# Altium PCB Matrix.PcbDoc (part 3 of 4)
Units mm, origin at the board's own origin, x right, y up, seen from the top; angles counter-clockwise.
Board outline 198.9 x 200.83 mm, 2 copper layers (Top Layer, Bottom Layer), stack 1.55 mm thick; 406 components, 231 nets, 2159 pads, 789 vias.
Unrouted connection lines stored in the file: 16.
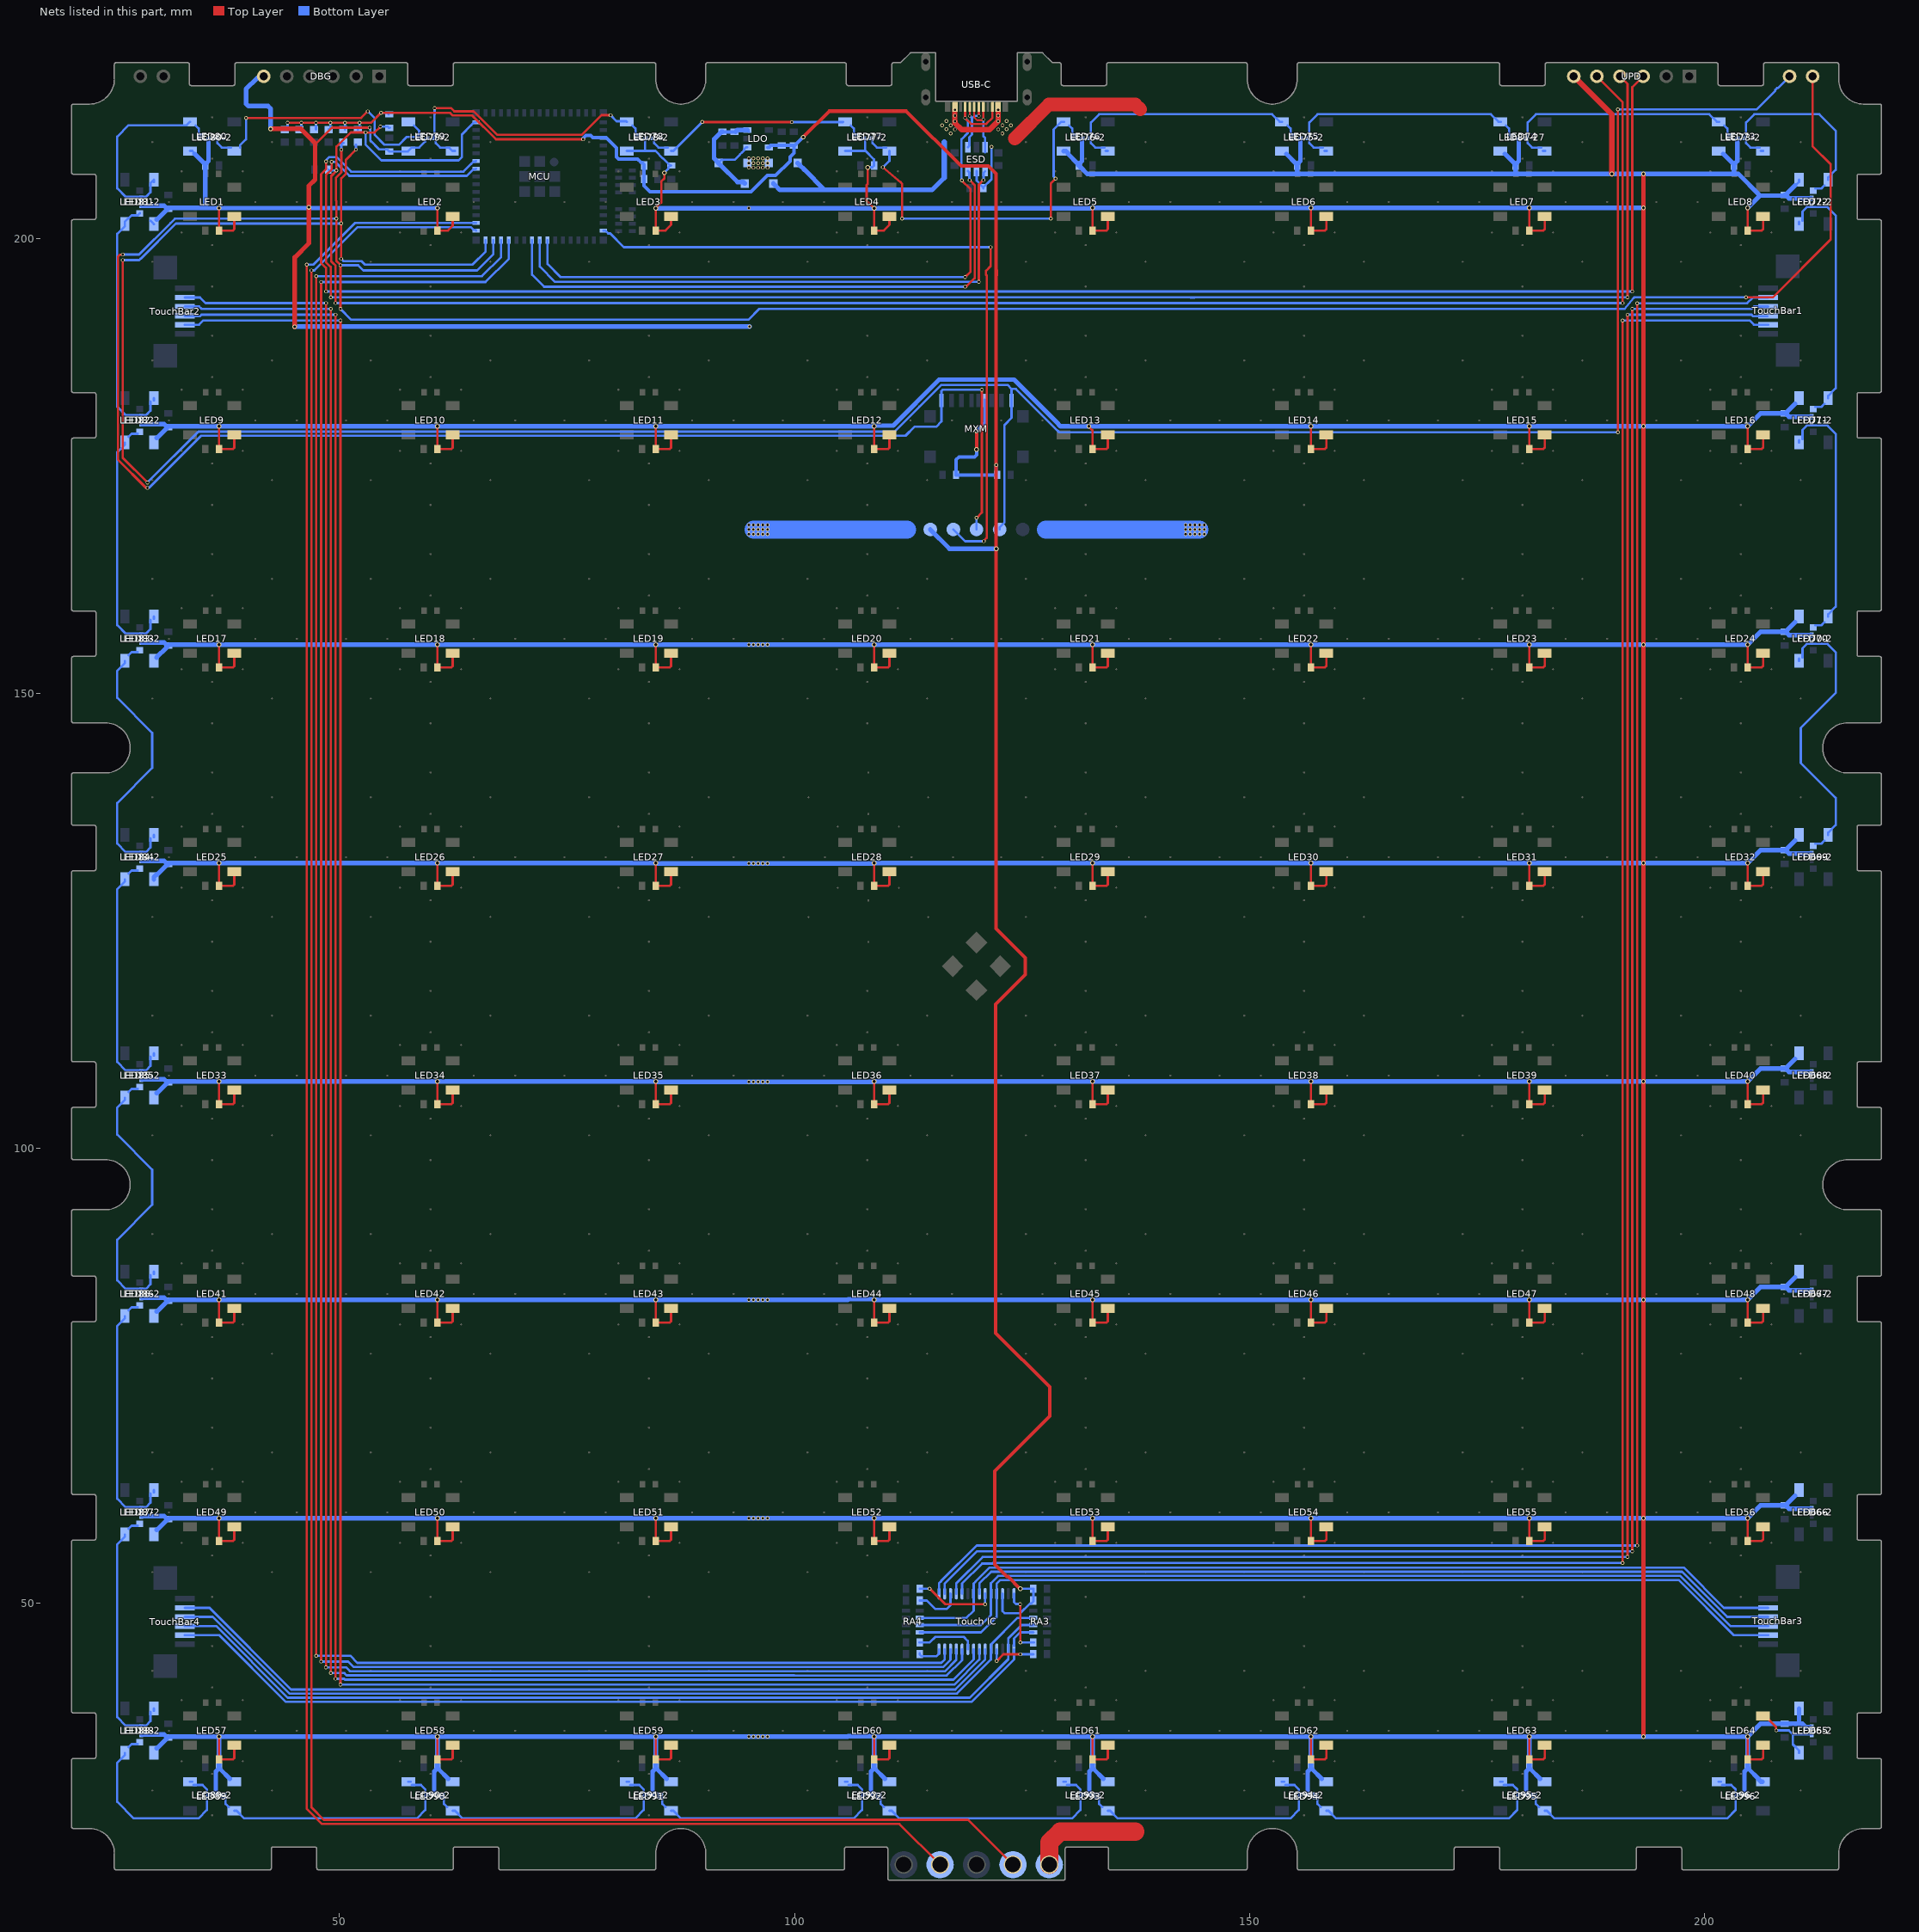
[diagram p3: the nets of this part, all layers, seen from the top]

## Via types
v1: diameter 0.406, hole 0.254, Top Layer to Bottom Layer, tented both sides, 443 vias
v2: diameter 0.508, hole 0.318, Top Layer to Bottom Layer, tented both sides, 331 vias
v3: diameter 0.349, hole 0.254, Top Layer to Bottom Layer, tented both sides, 6 vias
v4: diameter 8, hole 5.3, Top Layer to Bottom Layer, 4 vias
v5: diameter 0.635, hole 0.397, Top Layer to Bottom Layer, tented both sides, 3 vias
v6: diameter 0.508, hole 0.406, Top Layer to Bottom Layer, tented both sides, 1 vias
v7: diameter 0.61, hole 0.406, Top Layer to Bottom Layer, tented both sides, 1 vias

## Nets (pads, with @x,y where several pads share a name; then routed paths per layer and width w, separated by ;. In a path a pad name is that pad's centre, name@x,y a point inside that pad or via, vN(x,y) a via of type N, cw(c..) or ccw(c..) an arc to the next point about the centre after c; other vN are vias at no path point) (continued)
NetLED69_2: LED69-2.2 LED69.2 LED70-2.4 LED70.4 | length 30.1
  Bottom Layer w0.254: LED70.4@210.4,153.562 LED70.4@210.4,153.812 ; LED70.4@210.773,153.935 210.773,154.948 211.252,155.427 LED70-2.4@211.702,155.427 ; LED70-2.4@211.898,155.427 213.515,155.427 214.432,154.51 214.432,150.049 210.585,146.202 210.585,142.344 214.432,138.497 214.432,135.52 213.6,134.689 LED69.2@213.6,134.438 ; LED69-2.2@212.173,133.473 212.855,133.473 LED69.2@213.197,133.815
NetLED70_2: LED70-2.2 LED70.2 LED71-2.4 LED71.4 | length 26.9
  Bottom Layer w0.254: LED71.4@210.4,177.562 LED71.4@210.4,177.812 ; LED71.4@210.773,177.935 210.773,178.948 211.252,179.427 LED71-2.4@211.702,179.427 ; LED71-2.4@211.898,179.427 213.515,179.427 214.432,178.51 214.432,159.52 213.6,158.689 LED70.2@213.6,158.438 ; LED70-2.2@212.173,157.473 212.855,157.473 LED70.2@213.197,157.815
NetLED71_2: LED71-2.2 LED71.2 LED72-2.4 LED72.4 | length 26.9
  Bottom Layer w0.254: LED72.4@210.4,201.562 LED72.4@210.4,201.812 ; LED72.4@210.773,201.935 210.773,202.948 211.252,203.427 LED72-2.4@211.702,203.427 ; LED72-2.4@211.898,203.427 213.515,203.427 214.432,202.51 214.432,183.52 213.6,182.689 LED71.2@213.6,182.438 ; LED71-2.2@212.173,181.473 212.855,181.473 LED71.2@213.197,181.815
NetLED72_2: LED72-2.2 LED72.2 LED73-2.4 LED73.4 | length 21.9
  Bottom Layer w0.254: LED73-2.4@204.573,210.902 204.573,210.452 205.052,209.973 LED73.4@206.065,209.973 ; LED73-2.4@204.573,211.098 204.573,212.715 205.49,213.632 212.615,213.632 214.432,211.815 214.432,207.52 213.6,206.689 LED72.2@213.6,206.438 ; LED73.4@206.188,209.6 LED73.4@206.438,209.6 ; LED72-2.2@212.173,205.473 212.855,205.473 LED72.2@213.197,205.815
NetLED73_2: LED73-2.2 LED73.2 LED74.4 LED81-27.4 | length 26.9
  Bottom Layer w0.254: LED81-27.4@180.573,210.902 180.573,210.452 181.052,209.973 LED74.4@182.065,209.973 ; LED81-27.4@180.573,211.098 180.573,212.715 181.49,213.632 ; 181.538,213.632 200.528,213.632 201.359,212.8 LED73.2@201.61,212.8 ; LED74.4@182.236,209.6 LED74.4@182.486,209.6 ; LED73.2@202.185,212.397 202.527,212.055 LED73-2.2@202.527,211.373
NetLED74_2: LED74.2 LED75-2.4 LED75.4 LED81-27.2 | length 26.9
  Bottom Layer w0.254: LED75-2.4@156.573,210.902 156.573,210.452 157.052,209.973 LED75.4@158.065,209.973 ; LED75-2.4@156.573,211.098 156.573,212.715 157.49,213.632 ; 157.538,213.632 176.527,213.632 177.359,212.8 LED74.2@177.609,212.8 ; LED75.4@158.236,209.6 LED75.4@158.486,209.6 ; LED74.2@178.185,212.397 178.527,212.055 LED81-27.2@178.527,211.373
NetLED75_2: LED75-2.2 LED75.2 LED76-2.4 LED76.4 | length 26.9
  Bottom Layer w0.254: LED76-2.4@132.573,210.902 132.573,210.452 133.052,209.973 LED76.4@134.065,209.973 ; LED76-2.4@132.573,211.098 132.573,212.715 133.49,213.632 152.48,213.632 153.311,212.8 LED75.2@153.562,212.8 ; LED76.4@134.188,209.6 LED76.4@134.438,209.6 ; LED75.2@154.185,212.397 154.527,212.055 LED75-2.2@154.527,211.373
NetLED76_2: LED76-2.2 LED76.2 LED77-2.4 LED77.4 | length 40
  Top Layer w0.254: v1(109.699,207.809) 111.672,206.149 111.821,206 v1(111.821,202.155) ; v1(128.179,202.155) 128.179,205.946 128.179,206.017 128.233,206.105 v1(128.678,206.55)
  Bottom Layer w0.254: LED77-2.4@108.573,210.902 108.573,210.452 109.052,209.973 LED77.4@110.065,209.973 ; v1(109.699,207.809) 109.741,207.809 110.438,208.507 LED77.4@110.438,209.6 ; v1(111.821,202.155) v1(128.179,202.155) ; v1(128.678,206.55) 128.678,206.591 128.484,206.785 128.484,211.973 129.311,212.8 LED76.2@129.562,212.8 LED76.2@129.61,212.8 ; LED76.2@130.185,212.397 130.527,212.055 LED76-2.2@130.527,211.373
NetLED77_2: LED77-2.2 LED77.2 LED78-2.4 LED78.4 | length 23.6
  Top Layer w0.254: v1(89.854,212.781) 89.86,212.775 99.692,212.775 v1(99.698,212.77)
  Bottom Layer w0.254: LED78-2.4@84.573,210.902 84.573,210.452 85.052,209.973 LED78.4@86.065,209.973 ; LED78.4@86.438,209.6 86.689,209.6 89.854,212.765 v1(89.854,212.781) ; v1(99.698,212.77) 105.329,212.77 LED77.2@105.359,212.8 ; LED77.2@106.185,212.397 106.527,212.055 LED77-2.2@106.527,211.373
NetLED78_2: LED78-2.2 LED78.2 LED79-2.4 LED79.4 | length 31
  Top Layer w0.254: v1(60.444,214.316) 62.246,214.316 62.605,213.958 64.744,213.958 67.312,211.39 76.634,211.39 78.779,213.535 v1(79.803,213.535)
  Bottom Layer w0.254: LED79-2.4@60.4,211 60.414,211.014 60.414,213.605 60.444,213.635 v1(60.444,214.316) ; LED79-2.4@60.573,210.902 60.573,210.452 61.052,209.973 LED79.4@62.025,209.973 ; LED79.4@62.065,209.973 LED79.4@62.025,209.973 ; LED79.4@62.689,209.6 62.399,209.6 LED79.4@62.025,209.973 ; v1(79.803,213.535) 79.803,213.502 80.441,212.864 81.498,212.864 LED78.2@81.562,212.8 ; LED78.2@82.185,212.397 82.527,212.055 LED78-2.2@82.527,211.373
NetLED79_2: LED79-2.2 LED79.2 LED80-2.4 LED80.4 | length 29.4
  Top Layer w0.254: v1(39.721,213.21) 39.737,213.225 52.366,213.225 v1(53.089,213.949)
  Bottom Layer w0.254: LED80-2.4@36.573,210.902 36.573,210.452 37.052,209.973 LED80.4@38.065,209.973 ; LED80.4@39.062,209.973 39.062,210.223 39.721,210.883 v1(39.721,213.21) ; v1(53.089,213.949) 53.121,213.949 53.843,213.226 53.843,211.384 54.941,210.287 56.535,210.287 57.398,211.15 LED79-2.2@58.75,211.15 58.75,211.832 LED79.2@58.185,212.397
NetLED80_2: LED80-2.2 LED80.2 LED81-2.4 LED81.4 | length 21.7
  Bottom Layer w0.254: LED81-2.4@28.2,204.4 LED81-2.4@28.2,204.475 ; LED81.4@29.6,206.188 LED81.4@29.6,206.438 29.227,206.065 29.227,205.052 28.748,204.573 28.298,204.573 LED81-2.4@28.2,204.475 ; LED80.2@33.562,212.8 33.188,212.427 26.827,212.427 25.568,211.168 25.568,205.49 26.485,204.573 28.102,204.573 LED81-2.4@28.2,204.475 ; LED80.2@34.185,212.397 34.527,212.055 LED80-2.2@34.527,211.373
NetLED81_2: LED81-2.2 LED81.2 LED82-2.4 LED82.4 | length 28
  Bottom Layer w0.254: LED81-2.2@28.05,202.75 27.827,202.527 27.145,202.527 26.803,202.185 26.773,202.185 26.4,201.812 LED81.2@26.4,201.562 26.4,201.311 25.568,200.48 25.568,181.49 26.485,180.573 LED82-2.4@28.102,180.573 ; LED82-2.4@28.298,180.573 28.748,180.573 29.227,181.052 LED82.4@29.227,182.065 ; LED82.4@29.6,182.188 LED82.4@29.6,182.438
NetLED82_2: LED82-2.2 LED82.2 LED83-2.4 LED83.4 | length 26.9
  Bottom Layer w0.254: LED82.2@26.4,177.562 26.4,177.311 25.568,176.48 25.568,157.49 26.485,156.573 LED83-2.4@28.102,156.573 ; LED82.2@26.803,178.185 27.145,178.527 LED82-2.2@27.827,178.527 ; LED83-2.4@28.298,156.573 28.748,156.573 29.227,157.052 LED83.4@29.227,158.065 ; LED83.4@29.6,158.188 LED83.4@29.6,158.438
NetLED83_2: LED83-2.2 LED83.2 LED84-2.4 LED84.4 | length 30.1
  Bottom Layer w0.254: LED83.2@26.4,153.562 26.4,153.311 25.568,152.48 25.568,149.503 29.415,145.656 29.415,141.798 25.568,137.951 25.568,133.49 26.485,132.573 LED84-2.4@28.102,132.573 ; LED83.2@26.803,154.185 27.145,154.527 LED83-2.2@27.827,154.527 ; LED84-2.4@28.298,132.573 28.748,132.573 29.227,133.052 LED84.4@29.227,134.065 ; LED84.4@29.6,134.188 LED84.4@29.6,134.438
NetLED84_2: LED84-2.2 LED84.2 LED85-2.4 LED85.4 | length 26.9
  Bottom Layer w0.254: LED84.2@26.4,129.562 26.4,129.311 25.568,128.48 25.568,109.49 26.485,108.573 LED85-2.4@28.102,108.573 ; LED84.2@26.803,130.185 27.145,130.527 LED84-2.2@27.827,130.527 ; LED85-2.4@28.298,108.573 28.748,108.573 29.227,109.052 LED85.4@29.227,110.065 ; LED85.4@29.6,110.188 LED85.4@29.6,110.438
NetLED85_2: LED85-2.2 LED85.2 LED86-2.4 LED86.4 | length 30.1
  Bottom Layer w0.254: LED85.2@26.4,105.562 26.4,105.311 25.568,104.48 25.568,101.503 29.415,97.656 29.415,93.798 25.568,89.951 25.568,85.49 26.485,84.573 LED86-2.4@28.102,84.573 ; LED85.2@26.803,106.185 27.145,106.527 LED85-2.2@27.827,106.527 ; LED86-2.4@28.298,84.573 28.748,84.573 29.227,85.052 LED86.4@29.227,86.065 ; LED86.4@29.6,86.188 LED86.4@29.6,86.438
NetLED86_2: LED86-2.2 LED86.2 LED87-2.4 LED87.4 | length 26.9
  Bottom Layer w0.254: LED86.2@26.4,81.562 26.4,81.311 25.568,80.48 25.568,61.49 26.485,60.573 LED87-2.4@28.102,60.573 ; LED86.2@26.803,82.185 27.145,82.527 LED86-2.2@27.827,82.527 ; LED87-2.4@28.298,60.573 28.748,60.573 29.227,61.052 LED87.4@29.227,62.065 ; LED87.4@29.6,62.188 LED87.4@29.6,62.438
NetLED87_2: LED87-2.2 LED87.2 LED88-2.4 LED88.4 | length 26.9
  Bottom Layer w0.254: LED87.2@26.4,57.562 26.4,57.311 25.568,56.48 25.568,37.49 26.485,36.573 LED88-2.4@28.102,36.573 ; LED87.2@26.803,58.185 27.145,58.527 LED87-2.2@27.827,58.527 ; LED88-2.4@28.298,36.573 28.748,36.573 29.227,37.052 LED88.4@29.227,38.065 ; LED88.4@29.6,38.188 LED88.4@29.6,38.438
NetLED88_2: LED88-2.2 LED88.2 LED89-2.4 LED89.4 | length 21.9
  Bottom Layer w0.254: LED88.2@26.4,33.562 26.4,33.311 25.568,32.48 25.568,28.185 27.385,26.368 34.51,26.368 35.427,27.285 LED89-2.4@35.427,28.902 ; LED88.2@26.803,34.185 27.145,34.527 LED88-2.2@27.827,34.527 ; LED89.4@33.562,30.4 LED89.4@33.812,30.4 ; LED89.4@33.935,30.027 34.948,30.027 35.427,29.548 LED89-2.4@35.427,29.098
NetLED89_2: LED89-2.2 LED89.2 LED90-2.4 LED90.4 | length 26.9
  Bottom Layer w0.254: LED89-2.2@37.473,28.627 37.473,27.945 LED89.2@37.815,27.603 ; LED89.2@38.438,27.2 38.689,27.2 39.52,26.368 58.51,26.368 59.427,27.285 LED90-2.4@59.427,28.902 ; LED90.4@57.562,30.4 LED90.4@57.812,30.4 ; LED90.4@57.935,30.027 58.948,30.027 59.427,29.548 LED90-2.4@59.427,29.098
NetLED90_2: LED90-2.2 LED90.2 LED91-2.4 LED91.4 | length 26.9
  Bottom Layer w0.254: LED90-2.2@61.473,28.627 61.473,27.945 LED90.2@61.815,27.603 ; LED90.2@62.438,27.2 62.689,27.2 63.52,26.368 82.51,26.368 83.427,27.285 LED91-2.4@83.427,28.902 ; LED91.4@81.562,30.4 LED91.4@81.812,30.4 ; LED91.4@81.935,30.027 82.948,30.027 83.427,29.548 LED91-2.4@83.427,29.098
NetLED91_2: LED91-2.2 LED91.2 LED92-2.4 LED92.4 | length 26.9
  Bottom Layer w0.254: LED91-2.2@85.473,28.627 85.473,27.945 LED91.2@85.815,27.603 ; LED91.2@86.438,27.2 86.689,27.2 87.52,26.368 106.51,26.368 107.427,27.285 LED92-2.4@107.427,28.902 ; LED92.4@105.562,30.4 LED92.4@105.812,30.4 ; LED92.4@105.935,30.027 106.948,30.027 107.427,29.548 LED92-2.4@107.427,29.098
NetLED92_2: LED92-2.2 LED92.2 LED93-2.4 LED93.4 | length 26.9
  Bottom Layer w0.254: LED92-2.2@109.473,28.627 109.473,27.945 LED92.2@109.815,27.603 ; LED92.2@110.438,27.2 110.689,27.2 111.52,26.368 130.51,26.368 131.427,27.285 LED93-2.4@131.427,28.902 ; LED93.4@129.562,30.4 LED93.4@129.812,30.4 ; LED93.4@129.935,30.027 130.948,30.027 131.427,29.548 LED93-2.4@131.427,29.098
NetLED93_2: LED93-2.2 LED93.2 LED94-2.4 LED94.4 | length 26.9
  Bottom Layer w0.254: LED93-2.2@133.473,28.627 133.473,27.945 LED93.2@133.815,27.603 ; LED93.2@134.438,27.2 134.689,27.2 135.52,26.368 154.51,26.368 155.427,27.285 LED94-2.4@155.427,28.902 ; LED94.4@153.562,30.4 LED94.4@153.812,30.4 ; LED94.4@153.935,30.027 154.948,30.027 155.427,29.548 LED94-2.4@155.427,29.098
NetLED94_2: LED94-2.2 LED94.2 LED95-2.4 LED95.4 | length 26.9
  Bottom Layer w0.254: LED94-2.2@157.473,28.627 157.473,27.945 LED94.2@157.815,27.603 ; LED94.2@158.438,27.2 158.689,27.2 159.52,26.368 178.51,26.368 179.427,27.285 LED95-2.4@179.427,28.902 ; LED95.4@177.562,30.4 LED95.4@177.812,30.4 ; LED95.4@177.935,30.027 178.948,30.027 179.427,29.548 LED95-2.4@179.427,29.098
NetLED95_2: LED95-2.2 LED95.2 LED96-2.4 LED96.4 | length 26.9
  Bottom Layer w0.254: LED95-2.2@181.473,28.627 181.473,27.945 LED95.2@181.815,27.603 ; LED95.2@182.438,27.2 182.689,27.2 183.52,26.368 202.51,26.368 203.427,27.285 LED96-2.4@203.427,28.902 ; LED96.4@201.562,30.4 LED96.4@201.812,30.4 ; LED96.4@201.935,30.027 202.948,30.027 203.427,29.548 LED96-2.4@203.427,29.098
PMIC_INT: MCU.15 pad.5 | length 79.9
  Top Layer w0.254: v1(120.812,166.717) 120.812,166.758 121.122,167.068 121.122,195.923 121.046,195.999 121.046,196.438 121.557,196.949 v1(121.557,199.015)
  Bottom Layer w0.254: MCU.15@79,200.85 79.2,200.85 79.523,200.527 79.743,200.527 81.252,199.019 121.553,199.019 v1(121.557,199.015) ; pad.5@117.46,168 118.743,166.717 v1(120.812,166.717)
PowerCord: MCU.22 USB-C.A8 USB-C.B8 | length 73.1
  Top Layer w0.254: v1(118.381,206.363) 119.342,205.402 119.342,196.332 v1(118.75,195.74) ; USB-C.A8@118.75,214.15 118.748,214.148 v3(118.748,213.218) 119.404,212.562 121.071,212.562 121.755,213.246 121.755,213.666 121.75,213.671 USB-C.B8@121.75,214.15
  Bottom Layer w0.254: MCU.22@72.85,199.8 72.85,197.189 74.299,195.74 v1(118.75,195.74) ; v1(118.381,206.363) 118.357,206.387 118.357,210.896 119.053,211.592 119.053,212.912 v3(118.748,213.218)
rawUSB+: ESD.1@119.05,210 USB-C.A6 USB-C.B6 | length 6.1
  Top Layer w0.203: v3(119.25,213.466) 119.25,214.15 USB-C.B6@119.25,214.309
  Top Layer w0.254: v3(120.25,213.466) USB-C.A6@120.25,214.15
  Bottom Layer w0.254: ESD.1@119.05,210 119.223,210.173 119.223,211.119 119.507,211.404 119.507,213.209 v3(119.25,213.466) ; 119.508,213.209 119.765,213.466 v3(120.25,213.466)
rawUSB-: ESD.3 USB-C.A7 USB-C.B7 | length 6.9
  Top Layer w0.203: USB-C.A7@119.75,214.15 119.742,214.142 119.742,213.301 120.053,212.99 120.639,212.99 120.712,213.063 v3(120.752,213.063) ; v3@120.751,212.996 USB-C.B7@120.751,214.149
  Bottom Layer w0.254: v3(120.752,213.063) 120.752,211.225 120.95,211.026 ESD.3@120.95,209.453
Reset: C10.1 MCU.45 R5.2 UPD.5 | length 210.2
  Top Layer w0.254: v1(49.564,192.879) 49.564,196.971 49.189,197.347 49.083,197.453 49.083,206.842 v1@49.665,207.424 ; v1(49.665,207.465) 49.665,210.07 51.225,211.63 v1(52.859,211.63) ; v1@52.859,211.7 52.859,211.698 52.929,211.628 53.842,211.628 v1(54.485,212.27) ; UPD.5@188.18,217.8 191,214.98 v1@191,192.88
  Bottom Layer w0.2: R5.2@55.441,212.141 R5.2@55.579,212.141
  Bottom Layer w0.254: C10.1@48.75,207.55 48.835,207.465 v1(49.665,207.465) ; v1@49.71,192.88 v1(191.01,192.88) ; v1(52.859,211.63) 52.859,210.303 54.588,208.574 63.088,208.574 63.461,208.947 63.461,211.423 64.465,212.427 64.477,212.427 64.8,212.75 MCU.45@65,212.75 ; v1(54.485,212.27) 55.312,212.27 R5.2@55.441,212.141
RX0: MCU.40 UPD.3 | length 200.4
  Top Layer w0.254: v1(48.504,194.15) 48.504,196.747 47.974,197.278 47.974,207.058 48.53,207.614 v1(48.53,208.443) ; v1(192.07,194.149) 192.07,194.564 192.068,194.566 192.068,216.608 UPD.3@193.26,217.8
  Bottom Layer w0.254: v1(48.504,194.15) 50.55,194.15 ; v1(48.53,208.443) 48.559,208.472 48.559,208.62 48.871,208.932 49.656,208.932 51.268,207.32 63.608,207.32 64.465,208.177 64.477,208.177 64.727,208.427 64.927,208.427 MCU.40@65,208.5 ; 50.551,194.149 v1(192.07,194.149)
RX1: MCU.31 P2.2 pad.@124,21.277 | length 268.8
  Top Layer w0.254: v1(46.913,196.474) 46.913,27.554 48.267,26.2 111.719,26.2 119.077,26.2 P2.2@124,21.277
  Bottom Layer w0.254: v1(46.913,196.474) 46.917,196.478 47.228,196.478 51.959,201.209 64.441,201.209 64.727,200.923 64.927,200.923 MCU.31@65,200.85
SCL: I2C.2 MCU.30 MXM.1 pad.3 R6.2 | length 322.5
  Top Layer w0.254: v1(26.17,197.61) 26.17,175.892 v1(28.894,173.168) ; v1(50.173,197.754) v1(50.173,201.642) 50.173,206.581 50.703,207.111 50.703,208.636 51.796,209.729 v1(51.796,209.746) ; v1(190.47,178.686) v1(190.47,214.162)
  Bottom Layer w0.254: v1(26.17,197.61) 27.983,197.61 28.136,197.762 28.156,197.762 32.019,201.625 50.156,201.625 v1(50.173,201.642) ; v1(28.894,173.168) 34.487,178.762 110.999,178.762 113.725,181.488 116.128,183.89 123.41,183.89 123.85,183.45 ; v1(50.173,197.754) 50.425,197.502 52.389,197.502 52.783,197.108 64.589,197.108 66.05,198.57 MCU.30@66.05,199.8 ; v1(51.796,209.746) R6.2@51.796,210.287 ; pad.3@122.54,168 122.54,168.239 123.073,168.772 123.073,179.49 123.85,180.267 123.85,183.45 ; v1(190.47,178.686) 129.077,178.686 128.577,179.186 124.312,183.45 123.85,183.45 ; v1(190.47,214.162) 205.717,214.162 207.785,216.23 207.785,216.33 207.977,216.522 208.077,216.522 I2C.2@209.355,217.8
SDA: I2C.1 MCU.29 MXM.8 pad.4 R7.2 | length 391.5
  Top Layer w0.254: v1(26.17,198.216) 26.141,198.187 25.84,198.187 25.64,197.986 25.64,175.672 28.721,172.591 28.865,172.591 v1(28.894,172.562) ; v1(50.095,192.245) v1(50.095,197.046) 50.095,197.083 49.643,197.535 v1(49.643,202.155) 49.643,204.112 49.613,204.142 49.613,206.663 50.196,207.246 v1(50.196,209.746) ; v1(120,169.27) 120.592,169.862 120.592,176.57 120.592,178.668 v1(120.592,183.36) ; v1(204.573,193.515) 207.508,193.515 213.87,199.876 213.87,208.124 211.895,210.099 I2C.1@211.895,217.8 I2C.1@211.529,218.166
  Bottom Layer w0.254: v1(26.17,198.216) 27.968,198.216 31.428,201.676 31.907,202.155 v1(49.643,202.155) ; v1@29.066,172.591 34.783,178.308 112.2,178.308 113.188,179.296 115.573,179.296 116.15,179.872 MXM.8@116.15,182.185 116.15,183.211 116.299,183.36 v1(120.592,183.36) ; v1(50.095,192.245) 51.289,191.05 94.924,191.05 96.12,192.246 191.216,192.246 192.196,193.423 192.287,193.515 v1(204.573,193.515) ; v1(50.095,197.046) 52.048,197.046 52.62,196.474 65.107,196.474 66.9,198.267 MCU.29@66.9,199.8 ; v1(50.196,209.746) 50.196,210.287 50.374,210.466 R7.2@50.444,210.466 ; pad.4@120,168 v1(120,169.27)
SLPSENA: "Touch IC.28" TC3.2 | length 7.4
  Top Layer w0.254: v1(124.8,49.9) 124.807,49.893 124.807,45.707 v1(124.815,45.7)
  Bottom Layer w0.254: 124.127,51.05 124.127,50.122 124.321,49.929 124.771,49.929 v1(124.8,49.9) ; v1(124.815,45.7) TC3.2@126.3,45.7
SLPSENB: "Touch IC.14" TC8.2 | length 2.9
  Bottom Layer w0.254: TC8.2@113.75,44.5 TC8.2@113.75,44.4 113.973,44.177 115.597,44.177 115.835,44.414 115.835,44.421 115.872,44.459 115.872,44.95
SNEADJ0: "Touch IC.4" TC4.2 | length 5.6
  Top Layer w0.254: v1(122.222,43.662) 122.96,44.4 v1(124.815,44.4)
  Bottom Layer w0.254: v1(122.222,43.662) 122.222,44.95 ; v1(124.815,44.4) TC4.2@126.25,44.4
SNEADJ1: "Touch IC.23" TC5.2 | length 9.1
  Top Layer w0.254: v1(114.858,51.6) 116.558,49.9 v1(120.952,49.9)
  Bottom Layer w0.254: TC5.2@113.75,51.6 v1(114.858,51.6) ; v1(120.952,49.9) 120.952,51.05
SNEADJ2: "Touch IC.17" TC6.2 | length 5.2
  Bottom Layer w0.254: TC6.2@113.75,50.3 114.542,50.3 115.472,49.37 116.727,49.37 117.142,49.785 117.142,51.05 117.128,51.065
SNEADJ3: "Touch IC.9" TC7.2 | length 6.7
  Bottom Layer w0.254: TC7.2@113.7,45.7 114.858,45.7 115.469,46.311 118.589,46.311 119.047,45.853 119.047,44.95
Touch0: "Touch IC.6" TouchBar4.5 | length 94.2
  Bottom Layer w0.254: TouchBar4.5@33,49.5 35.715,49.5 44.685,40.53 117.668,40.53 120.952,43.814 120.952,44.95
Touch1: "Touch IC.5" RA3.2 TouchBar4.4 | length 101.2
  Bottom Layer w0.254: TouchBar4.4@33,48.5 36.073,48.5 44.497,40.076 117.856,40.076 121.587,43.807 121.587,44.95 121.602,44.965 121.602,45.495 124.507,48.4 RA3.2@126.25,48.4
Touch2: "Touch IC.2" RA3.3 TouchBar4.3 | length 101.2
  Bottom Layer w0.254: TouchBar4.3@33,47.5 36.431,47.5 44.309,39.622 119.261,39.622 123.492,43.854 123.492,46.135 124.958,47.6 RA3.3@126.25,47.6
Touch3: "Touch IC.1" RA3.4 TouchBar4.2 | length 100.4
  Bottom Layer w0.254: TouchBar4.2@33,46.5 36.789,46.5 44.121,39.168 119.449,39.168 124.127,43.847 124.127,44.95 ; 124.127,45.3 124.127,46.127 124.8,46.8 RA3.4@126.25,46.8
Touch4: "Touch IC.15" TouchBar1.2 | length 230.8
  Top Layer w0.254: v1(192.6,56.352) 192.6,192.026 ; 192.6,192.466 192.6,192.822 v1@192.643,192.865 ; 192.6,192.026 192.6,192.465
  Bottom Layer w0.254: 115.872,51.05 115.872,52.179 116.123,52.429 116.123,52.457 120.017,56.352 v1(192.6,56.352) ; v1@192.643,192.865 204.7,192.865 205.336,193.5 TouchBar1.2@207,193.5
  other v1: 192.6,192.865
Touch5: "Touch IC.16" TouchBar1.3 | length 229.7
  Top Layer w0.254: v1(192.069,55.717) 192.069,191.391 ; 192.07,191.391 192.07,191.831 v1(192.07,192.246)
  Bottom Layer w0.254: 116.507,51.05 116.507,52.172 120.053,55.717 v1(192.069,55.717) ; v1(192.07,192.246) 205.174,192.246 205.428,192.5 TouchBar1.3@207,192.5
Touch6: "Touch IC.18" TouchBar1.4 | length 228.1
  Top Layer w0.254: 191.539,55.937 191.539,55.497 191.541,55.496 v1@191.541,55.084 ; 191.54,55.938 v1(191.54,191.611)
  Bottom Layer w0.254: 117.777,51.05 117.777,51.541 117.777,52.179 120.681,55.083 v1(191.539,55.083) ; v1(191.54,191.611) 205.178,191.611 205.356,191.433 TouchBar1.4@206.933,191.433
Touch7: "Touch IC.19" TouchBar1.5 | length 227.4